# Altium PCB Simulation.PcbDoc (part 1 of 3) (continued)
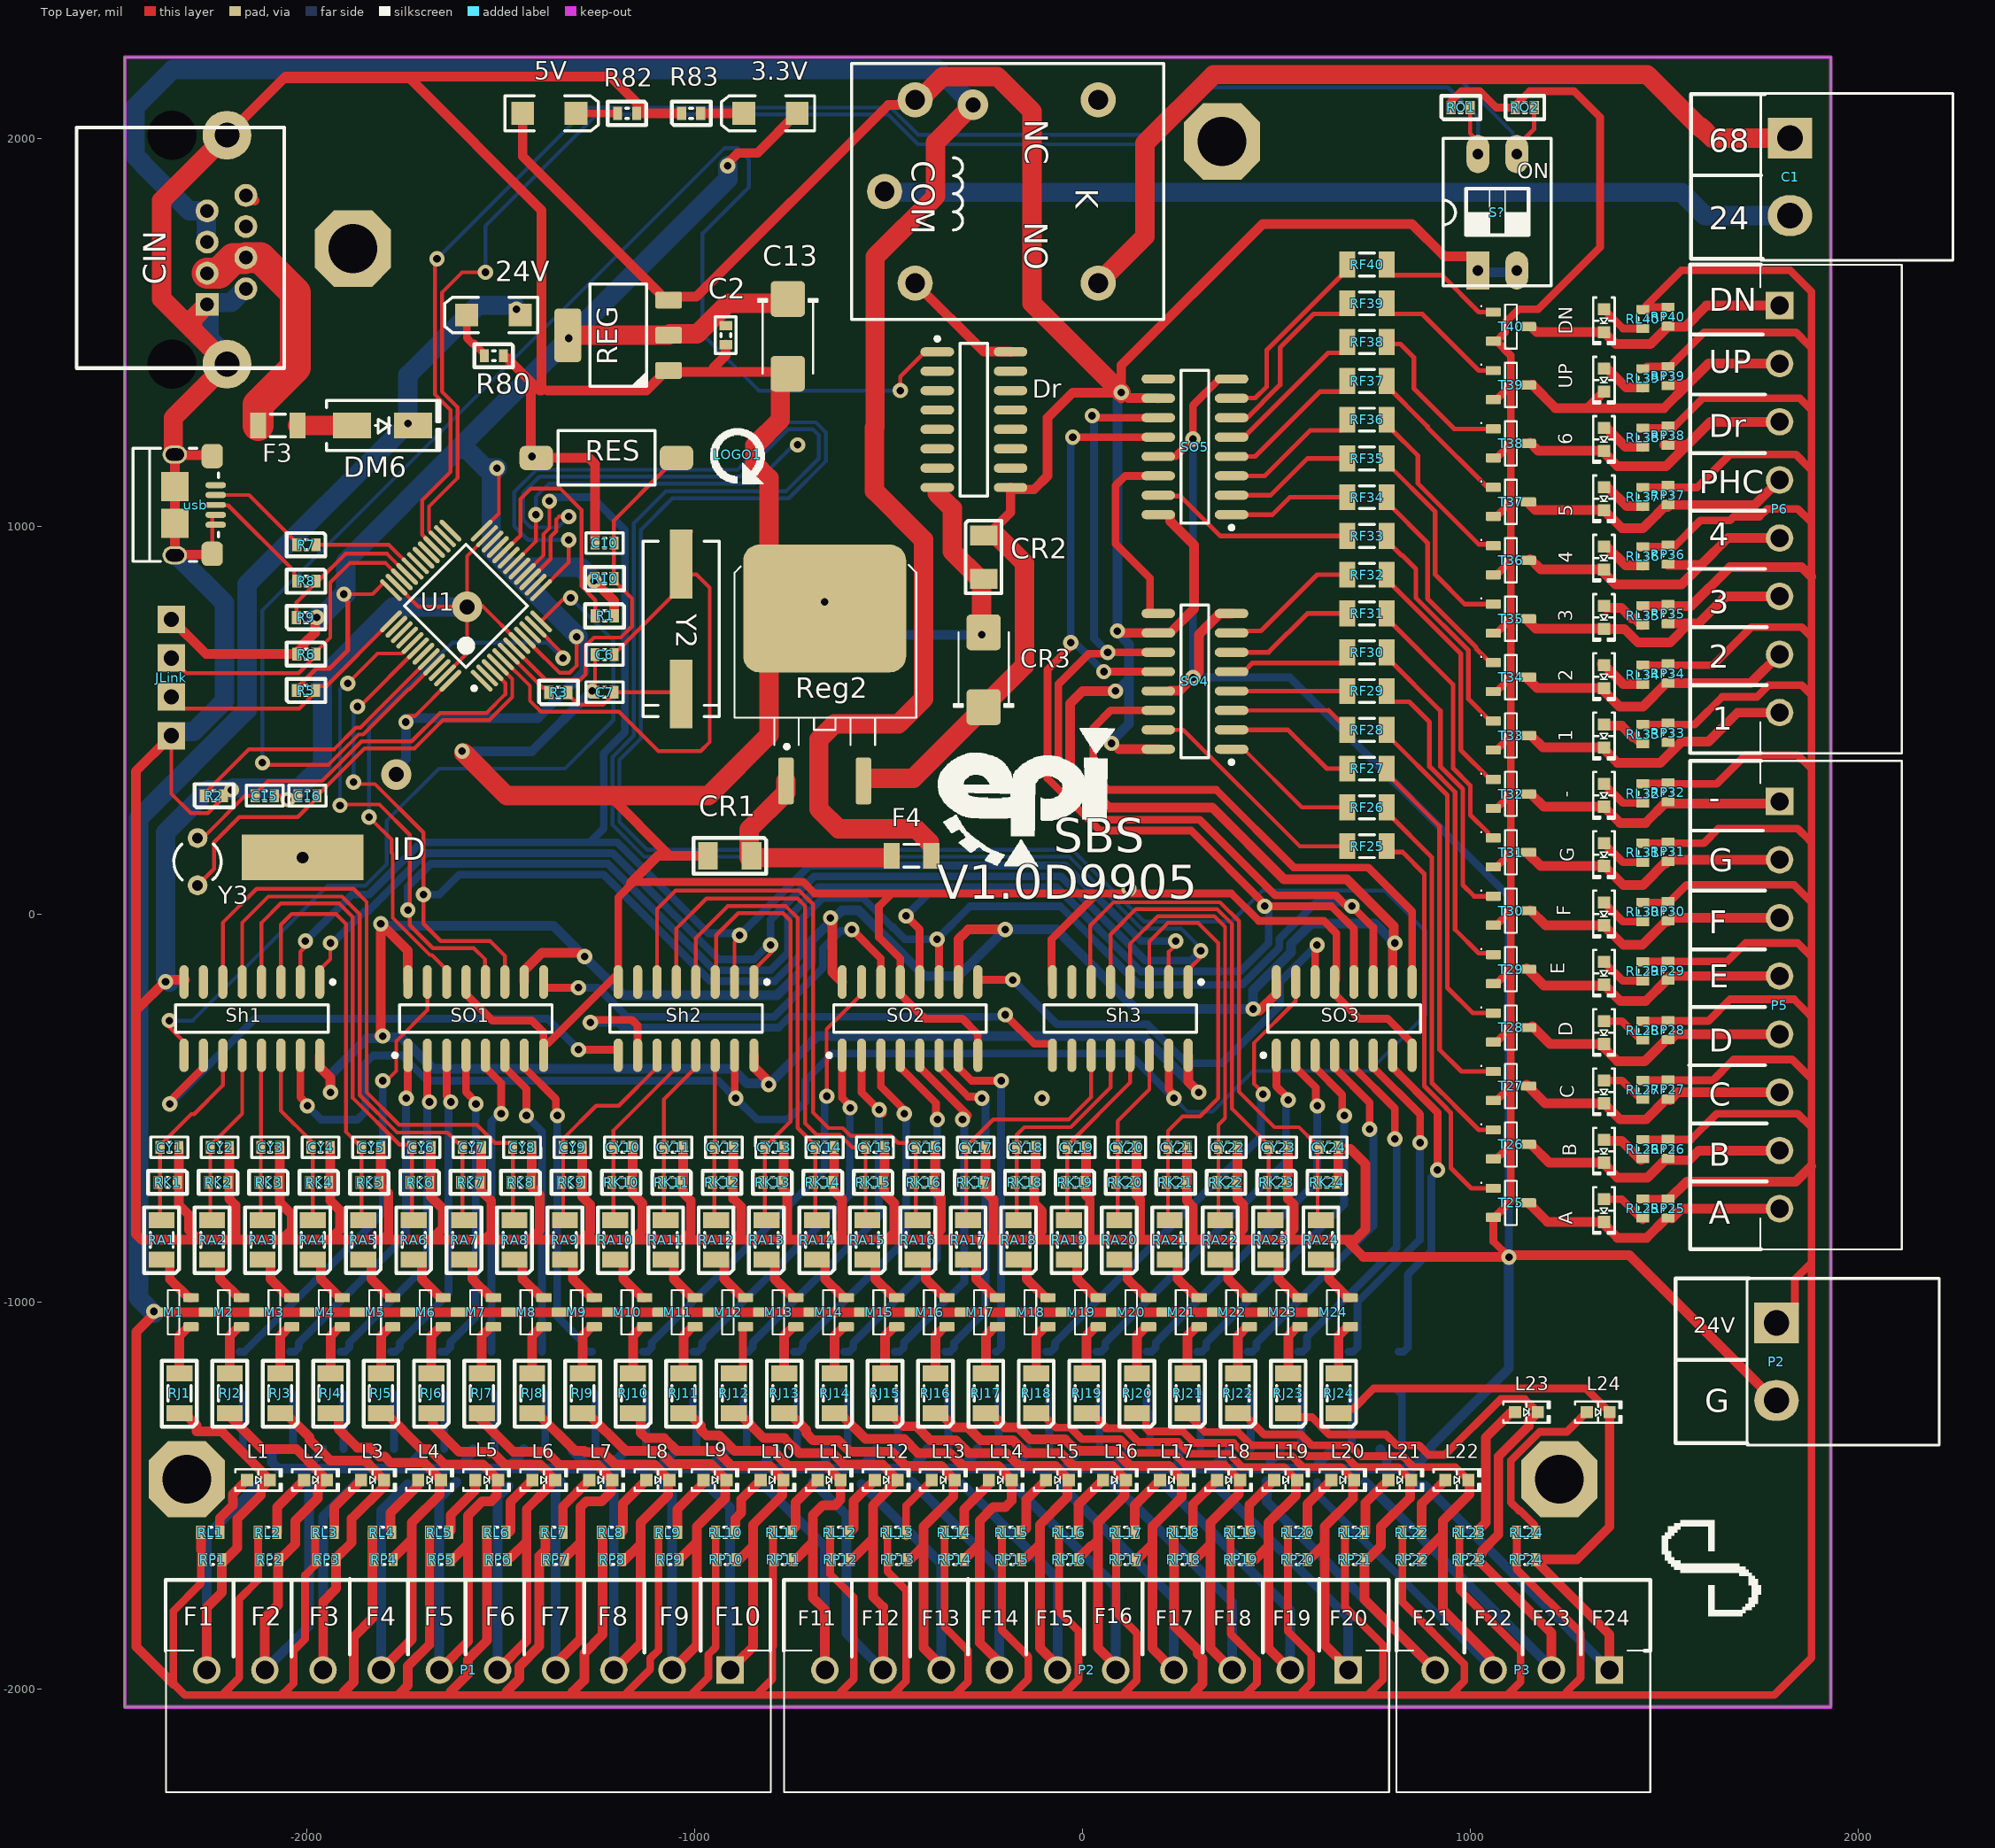
[diagram p0: Top Layer view]
## Components (designator, comment, footprint, x,y, rotation, side; value= is the part's Value field where it differs from the comment) (continued)
RL37 "5K" "RES 0603 (1608X06L)" 1445,1051.2 r90 top
RL38 "5K" "RES 0603 (1608X06L)" 1445,1204.13 r90 top
RL39 "5K" "RES 0603 (1608X06L)" 1445,1357.07 r90 top
RL40 "5K" "RES 0603 (1608X06L)" 1445,1510 r90 top
RO1 "10K" "RES 0603 (1608X06L)" 951.01,2080 r0 top
RO2 "10K" "RES 0603 (1608X06L)" 1116.01,2080 r0 top
RP1 "20K" "RES 0603 (1608X06L)" -2268.99,-1665 r0 top
RP2 "20K" "RES 0603 (1608X06L)" -2121.64,-1665 r0 top
RP3 "20K" "RES 0603 (1608X06L)" -1974.3,-1665 r0 top
RP4 "20K" "RES 0603 (1608X06L)" -1826.95,-1665 r0 top
RP5 "20K" "RES 0603 (1608X06L)" -1679.6,-1665 r0 top
RP6 "20K" "RES 0603 (1608X06L)" -1532.26,-1665 r0 top
RP7 "20K" "RES 0603 (1608X06L)" -1384.91,-1665 r0 top
RP8 "20K" "RES 0603 (1608X06L)" -1237.56,-1665 r0 top
RP9 "20K" "RES 0603 (1608X06L)" -1090.21,-1665 r0 top
RP10 "20K" "RES 0603 (1608X06L)" -942.87,-1665 r0 top
RP11 "20K" "RES 0603 (1608X06L)" -795.52,-1665 r0 top
RP12 "20K" "RES 0603 (1608X06L)" -648.17,-1665 r0 top
RP13 "20K" "RES 0603 (1608X06L)" -500.82,-1665 r0 top
RP14 "20K" "RES 0603 (1608X06L)" -353.48,-1665 r0 top
RP15 "20K" "RES 0603 (1608X06L)" -206.13,-1665 r0 top
RP16 "20K" "RES 0603 (1608X06L)" -58.78,-1665 r0 top
RP17 "20K" "RES 0603 (1608X06L)" 88.57,-1665 r0 top
RP18 "20K" "RES 0603 (1608X06L)" 235.91,-1665 r0 top
RP19 "20K" "RES 0603 (1608X06L)" 383.26,-1665 r0 top
RP20 "20K" "RES 0603 (1608X06L)" 530.61,-1665 r0 top
RP21 "20K" "RES 0603 (1608X06L)" 677.96,-1665 r0 top
RP22 "20K" "RES 0603 (1608X06L)" 825.3,-1665 r0 top
RP23 "20K" "RES 0603 (1608X06L)" 972.65,-1665 r0 top
RP24 "20K" "RES 0603 (1608X06L)" 1120,-1665 r0 top
RP25 "20K" "RES 0603 (1608X06L)" 1510,-735 r270 top
RP26 "20K" "RES 0603 (1608X06L)" 1510,-581.67 r270 top
RP27 "20K" "RES 0603 (1608X06L)" 1510,-428.33 r270 top
RP28 "20K" "RES 0603 (1608X06L)" 1510,-275 r270 top
RP29 "20K" "RES 0603 (1608X06L)" 1510,-121.67 r270 top
RP30 "20K" "RES 0603 (1608X06L)" 1510,31.67 r270 top
RP31 "20K" "RES 0603 (1608X06L)" 1510,185 r270 top
RP32 "20K" "RES 0603 (1608X06L)" 1510,338.33 r270 top
RP33 "20K" "RES 0603 (1608X06L)" 1510,491.67 r270 top
RP34 "20K" "RES 0603 (1608X06L)" 1510,645 r270 top
RP35 "20K" "RES 0603 (1608X06L)" 1510,798.33 r270 top
RP36 "20K" "RES 0603 (1608X06L)" 1510,951.67 r270 top
RP37 "20K" "RES 0603 (1608X06L)" 1510,1105 r270 top
RP38 "20K" "RES 0603 (1608X06L)" 1510,1258.33 r270 top
RP39 "20K" "RES 0603 (1608X06L)" 1510,1411.67 r270 top
RP40 "20K" "RES 0603 (1608X06L)" 1510,1565 r270 top
S? "SW DIP-2" "DIP Switch x2" 1070,1810 r0 top
Sh1 "74HC165" SO-16 -2142.35,-270 r270 top
Sh2 "74HC165" SO-16 -1022.42,-270 r270 top
Sh3 "74HC165" SO-16 97.51,-270 r270 top
SO1 "74HCT595" SO-16 -1564.86,-270 r90 top
SO2 "74HCT595" SO-16 -444.93,-270 r90 top
SO3 "74HCT595" SO-16 675,-270 r90 top
SO4 "74HCT595" SO-16 290,600 r180 top
SO5 "74HCT595" SO-16 290,1205 r180 top
T1 "BC848" SOT23-3 -2128.49,-1425.32 r270 bottom
T2 "BC848" SOT23-3 -1998.49,-1425.32 r270 bottom
T3 "BC848" SOT23-3 -1868.49,-1425.32 r270 bottom
T4 "BC848" SOT23-3 -1738.49,-1425.32 r270 bottom
T5 "BC848" SOT23-3 -1608.49,-1425.32 r270 bottom
T6 "BC848" SOT23-3 -1478.49,-1425.32 r270 bottom
T7 "BC848" SOT23-3 -1348.49,-1425.32 r270 bottom
T8 "BC848" SOT23-3 -1218.49,-1425.32 r270 bottom
T9 "BC848" SOT23-3 -1088.49,-1425.32 r270 bottom
T10 "BC848" SOT23-3 -958.49,-1425.32 r270 bottom
T11 "BC848" SOT23-3 -828.49,-1425.32 r270 bottom
T12 "BC848" SOT23-3 -698.49,-1425.32 r270 bottom
T13 "BC848" SOT23-3 -568.49,-1425.32 r270 bottom
T14 "BC848" SOT23-3 -438.49,-1425.32 r270 bottom
T15 "BC848" SOT23-3 -308.49,-1425.32 r270 bottom
T16 "BC848" SOT23-3 -178.49,-1425.32 r270 bottom
T17 "BC848" SOT23-3 -48.49,-1425.32 r270 bottom
T18 "BC848" SOT23-3 81.51,-1425.32 r270 bottom
T19 "BC848" SOT23-3 211.51,-1425.32 r270 bottom
T20 "BC848" SOT23-3 341.51,-1425.32 r270 bottom
T21 "BC848" SOT23-3 471.51,-1425.32 r270 bottom
T22 "BC848" SOT23-3 601.51,-1425.32 r270 bottom
T23 "BC848" SOT23-3 731.51,-1425.32 r270 bottom
T24 "BC848" SOT23-3 861.51,-1425.32 r270 bottom
T25 "BC848" SOT23-3 1105,-745 r0 top
T26 "BC848" SOT23-3 1105,-594.33 r0 top
T27 "BC848" SOT23-3 1105,-443.67 r0 top
T28 "BC848" SOT23-3 1105,-293 r0 top
T29 "BC848" SOT23-3 1105,-142.33 r0 top
T30 "BC848" SOT23-3 1105,8.33 r0 top
T31 "BC848" SOT23-3 1105,159 r0 top
T32 "BC848" SOT23-3 1105,309.67 r0 top
T33 "BC848" SOT23-3 1105,460.33 r0 top
T34 "BC848" SOT23-3 1105,611 r0 top
T35 "BC848" SOT23-3 1105,761.67 r0 top
T36 "BC848" SOT23-3 1105,912.33 r0 top
T37 "BC848" SOT23-3 1105,1063 r0 top
T38 "BC848" SOT23-3 1105,1213.67 r0 top
T39 "BC848" SOT23-3 1105,1364.33 r0 top
T40 "BC848" SOT23-3 1105,1515 r0 top
U1 "STM32F103CBT6" LQFP-48 -1590,795 r135 top
UP "RED" "LED 0603/1608 RED" 1345,1377 r270 top
usb "USB Micro" "FCI USB 10118193-0001LF" -2339.09,1055.08 r90 top
Y2 "8 MHz" "Crystal SMD" -1035,712.88 r90 top
Y3 "32.768K" "XTAL RTC - Right" -2282.4,135 r0 top

## Footprints (in the part's own frame and the unit in brackets; to place one, negate y for a bottom-side part, rotate by r counter-clockwise, add the part's x,y. Pads: shape width x height; smd on the part's side, far side on the other; paste and mask are expansions set on the pad)
1206 [mm]
  rect 1.3x1.8 smd: 1(-1.425,0) 2(1.425,0)
  silkscreen extent -2.4,-1.18 2.36,1.17, body extent -1.67,-0.87 1.68,0.87, height 0.71
CAP-0603 [mm]
  rect 0.6x0.85 smd: 1(-0.622,0) 2(0.622,0)
  silkscreen extent -1.21,-0.67 1.2,0.68, body extent -0.76,-0.38 0.76,0.38, height 0.6
CAPMP6032X280N [mm] "Capacitor, polarized, Molded Body, EIA 535BAAC size C; 6.00mm L X 3.20mm W X 2.80mm H"
  round 0.508 on Mech15: 0(0,0)
  rrect25% 2.35x2.25 smd: 1(-2.45,0) 2(2.45,0)
  silkscreen extent -2.45,-1.95 2.45,1.95, body extent -3.87,-2.02 3.73,1.93, height 3.1
"CN_RJ45_TYCO_ DY122-8P8C-G" [mm] "DY122-8P8C-G javan"
  rect 1.5x1.5 hole 0.9: 1(11.08,2.3)
  round 1.5 hole 0.9: 2(10.06,4.84) 3(9.04,2.3) 4(8.02,4.84) 5(7,2.3) 6(5.98,4.84) 7(4.96,2.3) 8(3.94,4.84)
  round 3.2 hole 1.63: 9(0,3.6) 9(15,3.6)
  round 0 hole 3.2: " "(0,0) " "(15,0)
  silkscreen extent -0.5,-6.25 15.25,7.35, body extent -1.75,-8.5 16.89,7.25, height 14.6
"Crystal SMD" [mm]
  rect 4.5x1.5 smd: 1(-3.683,0) 2(4.817,0)
  silkscreen extent -5.18,-2.5 6.32,2.5, body extent -5.64,-2.25 6.66,2.25, height 5.18
D2PAK-3 [mil] "D-PAK/TO-263-3; 3 Leads (1 Cropped); Body 14.7 (inc. leads) x 10.2 mm (LxW max)"
  round 20 on Mech15: 0(0,0)
  rrect25% 120x40 smd: 1(222.5,-100) 3(222.5,100)
  rrect25% 330x420 smd: 4(-222.5,0)
  silkscreen extent -335,-232 139,236, body extent -361,-197 256,197, height 189
"DIP Switch x2" [mm]
  rect 1.5x2.5 hole 0.7: 1(-1.27,-3.81)
  oval 1.5x2.5 hole 0.7: 2(1.27,-3.81) 3(1.27,3.81) 4(-1.27,3.81)
  silkscreen extent -3.55,-4.82 3.52,4.83, body extent -3.25,-5.03 3.25,4.97, height 6.91
"DO214AC SMA" [mm] "Molded Diode, 2-Leads, Body 4.30x2.60mm, IPC Medium Density"
  rect 2.5x1.7 smd: 1(-2,0) 2(2,0)
  silkscreen extent -3.68,-1.65 3.75,1.65, body extent -2.6,-1.37 2.6,1.37, height 2.4
"FCI USB 10118193-0001LF" [mm]
  oval 0.4x1.35 smd: 1(1.3,-2.625) 2(0.65,-2.625) 3(0,-2.625) 4(-0.65,-2.625) 5(-1.3,-2.625)
  oval 1.2x1.6 hole 0.8 slot 1.2 at 90 deg: S(-3.3,0.05) S(3.3,0.05)
  rrect50% 1.6x1.4 smd: S(-3.2,-2.4) S(3.2,-2.4)
  rect 1.9x1.8 smd: S(-1.2,0.05) S(1.2,0.05)
  silkscreen extent -3.7,-2.8 3.7,2.8, body extent -3.93,-2.9 3.93,2.76, height 2.78
"Fuse SMD 1206" [mm]
  rect 1.05x1.7 smd: 1(-1.397,0.127) 2(1.199,0.127)
  silkscreen extent -0.6,-0.62 0.4,0.88, body extent -1.14,-0.51 0.89,0.76, height 0.2
"Header 1x4 male rightangle" [mm]
  rect 1.8x1.8 hole 1: 1(-2.54,0) 2(0,0) 3(2.54,0) 4(5.08,0)
  body extent -3.81,-0.38 6.35,9.98, height 3.54
"LED 0603/1608 RED" [mm]
  rect 0.8x0.8 smd: 1(-0.75,0) 2(0.75,0)
  silkscreen extent -1.52,-0.7 1.52,0.7, body extent -0.8,-0.4 0.8,0.4, height 0.53
"LED SMD 1206" [mm]
  rect 1.5x1.5 smd: 1(-1.75,0) 2(1.75,0)
  silkscreen extent -2.9,-1.15 3.2,1.15, body extent -1.65,-0.76 1.65,0.69, height 1.36
"LOGO RESET" [mil]
  silkscreen extent -76,-70 68,70
LQFP-48 [mm] "TSQFP, 48-Leads, Body 9,0x9,0mm (max), Pitch 0,50mm, IPC Medium Density"
  oval 1.9x0.3 smd: 1(-4.2,2.75) 2(-4.2,2.25) 3(-4.2,1.75) 4(-4.2,1.25) 5(-4.2,0.75) 6(-4.2,0.25) 7(-4.2,-0.25) 8(-4.2,-0.75) 9(-4.2,-1.25) 10(-4.2,-1.75) 11(-4.2,-2.25) 12(-4.2,-2.75) 25(4.2,-2.75) 26(4.2,-2.25) 27(4.2,-1.75) 28(4.2,-1.25) 29(4.2,-0.75) 30(4.2,-0.25) 31(4.2,0.25) 32(4.2,0.75) 33(4.2,1.25) 34(4.2,1.75) 35(4.2,2.25) 36(4.2,2.75)
  oval 0.3x1.9 smd: 13(-2.75,-4.2) 14(-2.25,-4.2) 15(-1.75,-4.2) 16(-1.25,-4.2) 17(-0.75,-4.2) 18(-0.25,-4.2) 19(0.25,-4.2) 20(0.75,-4.2) 21(1.25,-4.2) 22(1.75,-4.2) 23(2.25,-4.2) 24(2.75,-4.2) 37(2.75,4.2) 38(2.25,4.2) 39(1.75,4.2) 40(1.25,4.2) 41(0.75,4.2) 42(0.25,4.2) 43(-0.25,4.2) 44(-0.75,4.2) 45(-1.25,4.2) 46(-1.75,4.2) 47(-2.25,4.2) 48(-2.75,4.2)
  silkscreen extent -4.32,-2.85 2.85,3.57, body extent -4.5,-4.5 4.5,4.5, height 1.5
"phonix 2pin right 5.08" [mil]
  rect 115x105 hole 66: 1(0,100)
  oval 115x105 hole 66: 2(0,-100)
  silkscreen extent -76,-215 420,215, body extent -60,-199 410,208, height 310
"phonix 4pin right 3.81" [mm]
  rect 1.8x1.8 hole 1.2: 1(0,0)
  round 1.8 hole 1.2: 2(0,-3.81) 3(0,-7.62) 4(0,-11.43)
  silkscreen extent -1.27,-13.97 8,2.67, body extent -1.2,-14.03 8,2.6, height 7.32
"phonix 8pin right 3.81" [mm]
  rect 1.8x1.8 hole 1.2: 1(0,0)
  round 1.8 hole 1.2: 2(0,-3.81) 3(0,-7.62) 4(0,-11.43) 5(0,-15.24) 6(0,-19.05) 7(0,-22.86) 8(0,-26.67)
  silkscreen extent -1.27,-29.34 8,2.67, body extent -1.2,-29.27 8,2.6, height 7.32
"phonix 10pin right 3.81" [mm]
  rect 1.8x1.8 hole 1.2: 1(0,0)
  round 1.8 hole 1.2: 2(0,-3.81) 3(0,-7.62) 4(0,-11.43) 5(0,-15.24) 6(0,-19.05) 7(0,-22.86) 8(0,-26.67) 9(0,-30.48) 10(0,-34.29)
  silkscreen extent -1.27,-36.96 8,2.67, body extent -1.2,-36.89 8,2.6, height 7.32
"Relay 20x16x20 HJR" [mm]
  round 2.3 hole 1.3: 1(0,0) 2(6,14) 3(-6,14) 4(-6,2) 5(6,2)
  silkscreen extent -8.38,-2.16 8.38,18.29, body extent -8.3,-2.03 8.3,18.27, height 20.2
"RES 0603 (1608X06L)" [mm] "Chip Resistor, 2-Leads, Body 1.6x0.8mm, IPC High Density _ (0.063W)"
  rect 0.6x0.85 smd: 1(0,0) 2(1.244,0)
  silkscreen extent -0.64,-0.76 1.91,0.76, body extent -0.14,-0.38 1.38,0.38, height 0.45
"RES 1206 (3216X08L)" [mm] "Chip Resistor, 2-Leads, Body 3.2x1.6mm, IPC High Density _ (0.125 W)"
  rect 1.05x1.7 smd: 1(0,0) 2(2.596,0)
  silkscreen extent -0.89,-1.14 3.43,1.14, body extent -0.23,-0.76 2.82,0.76, height 0.6
SMD_CAP_0603 [mm]
  rect 0.6x0.85 smd: 1(-0.622,0) 2(0.622,0)
  silkscreen extent -1.21,-0.67 1.2,0.68, body extent -0.76,-0.38 0.76,0.38, height 0.6
SO-16 [mm]
  oval 2.2x0.6 smd: 1(-2.4,4.445) 2(-2.4,3.175) 3(-2.4,1.905) 4(-2.4,0.635) 5(-2.4,-0.635) 6(-2.4,-1.905) 7(-2.4,-3.175) 8(-2.4,-4.445) 9(2.4,-4.445) 10(2.4,-3.175) 11(2.4,-1.905) 12(2.4,-0.635) 13(2.4,0.635) 14(2.4,1.905) 15(2.4,3.175) 16(2.4,4.445)
  silkscreen extent -2.52,-5 0.9,5.42, body extent -3.1,-5.08 3.1,5.08, height 1.73
SOT23-3 [mm] "SOT23, 3 pin"
  round 0.5 on Mech15: 0(0,0)
  rrect25% 1x0.6 smd: 1(-1.15,0.95) 2(-1.15,-0.95) 3(1.15,0)
  silkscreen extent -0.38,-1.45 0.38,1.45, body extent -1.4,-1.45 1.4,1.45, height 1.29
SOT223 [mm] "SOT223 /SC-73"
  round 1 on Mech15: 0(0,0)
  rrect25% 1.75x1.1 smd: 1(-3.3,2.3) 2(-3.3,0) 3(-3.3,-2.3)
  rrect25% 1.75x3.5 smd: 4(3.3,0)
  silkscreen extent -1.85,-3.35 1.85,3.35, body extent -3.65,-3.35 3.65,3.35, height 1.8
"TE FSMSMTR" [mm]
  rrect50% 1.6x2.19 smd: 1(0,4.595) 2(0,-4.595)
  silkscreen extent -1.78,-3.17 1.78,3.17, body extent -1.75,-4.98 1.75,4.98, height 4.42
"XTAL RTC - Right" [mm]
  round 1.3 hole 0.7: 1(0,1.55) 2(0,-1.55)
  rect 8x3 hole 0.762: 3(6.878,0.276)
  silkscreen extent -1.55,-1.19 1.55,1.17, body extent -0.54,-1.44 10.23,2.01, height 3.1

## Part data
1 2 3 3.3V 4 5 5V 6 24V - A B C D DN E F G L1 L2 L3 L4 L5 L6 L7 L8 L9 L10 L11 L12 L13 L14 L15 L16 L17 L18 L19 L20 L21 L22 L23 L24 UP: library part LED, "Chip LED"
C1 P2: "Header, 2-Pin", LatestRevisionDate=17-Jul-2002, LatestRevisionNote="Re-released for DXP Platform.", Publisher="Altium Limited", system=connector
C2 CY1 CY2 CY3 CY4 CY5 CY6 CY7 CY8 CY9 CY10 CY11 CY12 CY13 CY14 CY15 CY16 CY17 CY18 CY19 CY20 CY21 CY22 CY23 CY24: library part Cap-Bipolar, "Bipolar Capacitor", Voltage=35V, Price=2800
C6 C7 C10 C15 C16: library part Cap-Bipolar, "Bipolar Capacitor", Voltage=100V, ComponentLink1Description="Buy Link"
  C6 C7: ComponentLink1URL=http://nikushop.com/index.php?id_product=9033&controller=product, Price=902
  C10 C15: ComponentLink1URL=http://nikushop.com/index.php?id_product=13570&controller=product&search_query=1uF-0603&results=1, Price=2346
  C16: ComponentLink1URL=http://nikushop.com/index.php?id_product=9021&controller=product&search_query=10PF-0603&results=1, Price=1173
C13: library part Cap-Polar, "Polar Capacitor", Voltage=6V, Price=0
CR1 CR2: library part Cap-Bipolar, "Bipolar Capacitor", Voltage=50V, Price=753
CR3: library part Cap-Polar, "Polar Capacitor", Voltage=16V, Adding Date=1387/12/20, Designer="Saeid Jorablo", Organazation=ControTec
DM6: library part "Diode 1N4148", "High Conductance Fast Diode", Code_JEDEC=DO-204-AH, ComponentLink1Description="Manufacturer Link", ComponentLink1URL=http://www.fairchildsemi.com/, ComponentLink2Description=Datasheet, ComponentLink2URL=http://www.fairchildsemi.com/ds/1N%2F1N4148.pdf, DatasheetVersion=1997, LatestRevisionDate=17-Jul-2002, LatestRevisionNote="Re-released for DXP Platform.", PackageDescription="Diode, Axial; Body 3.8 x 1.9 mm (LxDia. max), Lead Dia. 0.53 mm (max)", PackageReference=DO-35, Published=8-Jun-2000, Publisher="Altium Limited"
F3 F4: library part "Fuse 2", "Fuse", Current=0.5A, LatestRevisionDate=17-Jul-2002, LatestRevisionNote="Re-released for DXP Platform.", PackageDescription="Thru-Hole; 2 Leads", PackageReference=PIN-W2/E2.8, Published=8-Jun-2000, Publisher="Altium Limited"
JLink: library part "Header 1*4"
K: "RELAY 5V 7A 1C 5PIN", Company=E.P.I.L, Design_Date=2011/10/31, Designer="Eng. Saeid Jorablo"
LOGO1: library part WARNING, "WARNING & LOGO", Company=E.P.I.L, Design Date=11/6/2011
M1 M2 M3 M4 M5 M6 M7 M8 M9 M10 M11 M12 M13 M14 M15 M16 M17 M18 M19 M20 M21 M22 M23 M24: library part 2N7002ET1G, Manufacturer="On Semiconductor", Package Type=SOT-23-3, Supplier Part Number 1=2N7002ET1GOSTR-ND, Channel Polarity="N Channel", Ciss Typ (pF)=26.7, ComponentLink1Description="Manufacturer URL", ComponentLink1URL=http://www.onsemi.com/, ComponentLink2Description=Datasheet, ComponentLink2URL=http://www.onsemi.com/pub_link/Collateral/2N7002E-D.PDF, ComponentLink3Description="Package Specification", ComponentLink3URL=http://www.onsemi.cn/pub_link/Collateral/318-08.PDF, Configuration=Single, Coss Typ (pF)=4.6, Crss Typ (pF)=2.9, DatasheetVersion="Rev. 3", ID Max (A)=0.31, Mounting Technology="Surface Mount", PackageDescription="3-Pin Small Outline Transistor, Body 2.92 x 1.3 mm, Pitch 0.95 mm", PackageReference=SOT-23-3-318-08, PackageVersion="Rev. AP, 11/2009", Packing="Tape and Reel", PartNumber=2N7002ET1G, RoHS=Pb-Free, Supplier 1=Digi-Key, Supplier 2=Digi-Key, Supplier 3=Digi-Key, Supplier 4=Farnell, Supplier 5=Farnell, Supplier 6=Newark, Supplier 7=Newark, Supplier 8=Mouser, Supplier Part Number 2=2N7002ET1GOSCT-ND, Supplier Part Number 3=2N7002ET1GOSDKR-ND, Supplier Part Number 4=2317895, Supplier Part Number 5=2317616, Supplier Part Number 6=09R9861, Supplier Part Number 7=50M2216, Supplier Part Number 8=863-2N7002ET1G, V(BR)DSS Min (V)=60, VGS(th) Max (V)=2.5, VGS Max (V)=20
P1 P2: library part "Header 1x10"
P3: library part "Header 1x4"
P5 P6: library part "Header 1x8"
R1 R2 R5 R6 R7 R8 R9 R10 RA1 RA2 RA3 RA4 RA5 RA6 RA7 RA8 RA9 RA10 RA11 RA12 RA13 RA14 RA15 RA16 RA17 RA18 RA19 RA20 RA21 RA22 RA23 RA24 RJ1 RJ2 RJ3 RJ4 RJ5 RJ6 RJ7 RJ8 RJ9 RJ10 RJ11 RJ12 RJ13 RJ14 RJ15 RJ16 RJ17 RJ18 RJ19 RJ20 RJ21 RJ22 RJ23 RJ24 RK1 RK2 RK3 RK4 RK5 RK6 RK7 RK8 RK9 RK10 RK11 RK12 RK13 RK14 RK15 RK16 RK17 RK18 RK19 RK20 RK21 RK22 RK23 RK24 RL1 RL2 RL3 RL4 RL5 RL6 RL7 RL8 RL9 RL10 RL11 RL12 RL13 RL14 RL15 RL16 RL17 RL18 RL19 RL20 RL21 RL22 RL23 RL24 RL25 RL26 RL27 RL28 RL29 RL30 RL31 RL32 RL33 RL34 RL35 RL36 RL37 RL38 RL39 RL40 RO1 RO2: library part Resistor, "Resistor"
  R1 R2 R5 R6 R10 RO1 RO2: ComponentLink1Description="Buy Link", ComponentLink1URL=http://www.roboeq.ir/products/detail/%D9%85%D9%82%D8%A7%D9%88%D9%85%D8%AA%2010%20%DA%A9%DB%8C%D9%84%D9%88%20%D8%A7%D9%87%D9%85%20SMD%200603/, Price=394
  R7 R8: ComponentLink1Description="Buy Link", ComponentLink1URL="20R Resistor R5, R6 RES 0603 (1608X06L) Resistor 2 276 552 http://nikushop.com/index.php?id_product=13587&controller=product", Price=276
  R9: ComponentLink1Description="Buy Link", ComponentLink1URL=http://kaelectronic.ir/index.php?route=product/product&product_id=6863&search=15kohm+0603, Price=597
  RA1 RA2 RA3 RA4 RA5 RA6 RA7 RA8 RA9 RA10 RA11 RA12 RA13 RA14 RA15 RA16 RA17 RA18 RA19 RA20 RA21 RA22 RA23 RA24 RJ1 RJ2 RJ3 RJ4 RJ5 RJ6 RJ7 RJ8 RJ9 RJ10 RJ11 RJ12 RJ13 RJ14 RJ15 RJ16 RJ17 RJ18 RJ19 RJ20 RJ21 RJ22 RJ23 RJ24 RK1 RK2 RK3 RK4 RK5 RK6 RK7 RK8 RK9 RK10 RK11 RK12 RK13 RK14 RK15 RK16 RK17 RK18 RK19 RK20 RK21 RK22 RK23 RK24 RL1 RL2 RL3 RL4 RL5 RL6 RL7 RL8 RL9 RL10 RL11 RL12 RL13 RL14 RL15 RL16 RL17 RL18 RL19 RL20 RL21 RL22 RL23 RL24 RL25 RL26 RL27 RL28 RL29 RL30 RL31 RL32 RL33 RL34 RL35 RL36 RL37 RL38 RL39 RL40: Price=617
R3 R80 R82 R83 RF1 RF2 RF3 RF4 RF5 RF6 RF7 RF8 RF9 RF10 RF11 RF12 RF13 RF14 RF15 RF16 RF17 RF18 RF19 RF20 RF21 RF22 RF23 RF24 RF25 RF26 RF27 RF28 RF29 RF30 RF31 RF32 RF33 RF34 RF35 RF36 RF37 RF38 RF39 RF40 RP1 RP2 RP3 RP4 RP5 RP6 RP7 RP8 RP9 RP10 RP11 RP12 RP13 RP14 RP15 RP16 RP17 RP18 RP19 RP20 RP21 RP22 RP23 RP24 RP25 RP26 RP27 RP28 RP29 RP30 RP31 RP32 RP33 RP34 RP35 RP36 RP37 RP38 RP39 RP40: library part Resistor, "Resistor", Power=1/4W
REG: library part REG1117A-2.5/2K5, ")", ComponentLink1Description="Manufacturer URL", ComponentLink1URL=http://www.ti.com/, ComponentLink2Description=Datasheet, ComponentLink2URL=http://www.ti.com/general/docs/lit/getliterature.tsp?genericPartNumber=REG1117A-25&fileType=pdf, ComponentLink3Description="Package Specification", ComponentLink3URL=http://www.ti.com/litv/pdf/mpds094a, Price=4200
Reg2: "Voltage Regulator IC, D2PAK SMD, L7805", Manufacturer 1="ON Semiconductor", Package / Case=D2PAK, Ratings="40V; 1.5A", Supplier Part Number 1=LM317D2TGOS-ND, Tolerance=0.04%, Voltage Regulator Type="Adjustable Positive Linear", Manufacturer Part Number 1=L7805, SCDType=spec*, Supplier 1=Digi-Key
RES: library part "SPST-NO 2 PIN", ComponentLink1Description="Buy Link", ComponentLink1URL=https://eshop.eca.ir/%D8%AA%DA%A9-%D8%B3%D9%88%D8%A6%DB%8C%DA%86/6472-%D8%AA%DA%A9-%D8%B3%D9%88%D8%A6%DB%8C%DA%86-smd-%D8%B3%D8%A7%DB%8C%D8%B2-3x6x25-%D8%B2%D8%B1%D8%AF-%D8%A8%D8%B3%D8%AA%D9%87-10-%D8%AA%D8%A7%DB%8C%DB%8C.html, Price=1900
S?: "DIP Switch, 2 Position, SPST", LatestRevisionDate=17-Jul-2002, LatestRevisionNote="Re-released for DXP Platform.", PackageReference=DIP-4, Published=24-Mar-1999, Publisher="Altium Limited"
T1 T2 T3 T4 T5 T6 T7 T8 T9 T10 T11 T12 T13 T14 T15 T16 T17 T18 T19 T20 T21 T22 T23 T24 T25 T26 T27 T28 T29 T30 T31 T32 T33 T34 T35 T36 T37 T38 T39 T40: library part NPN_MMBT3904, "Transistor SMD NPN 40V 0.2A 250mW SOT-23", Manufacturer 1="Fairchild Semiconductor", Manufacturer 2="NXP Semiconductors", Manufacturer Part Number 2=PMBT3904,215, Package / Case=SOT-23, Ratings="40V; 200mA; 250mW", Supplier Part Number 1=MMBT3904FSCT-ND, ComponentLink1Description=http://www.fairchildsemi.com/ds/MM/MMBT3904.pdf, ComponentLink1URL=http://www.fairchildsemi.com/ds/MM/MMBT3904.pdf, ComponentLink2Description=http://www.nxp.com/documents/data_sheet/PMBT3904.pdf, ComponentLink2URL=http://www.nxp.com/documents/data_sheet/PMBT3904.pdf, Manufacturer Part Number 1=BC848, Material=Si, Mounting Type="Surface Mount", SCDType=source, Supplier 1=Digi-Key, Supplier 2=Digi-Key, Supplier Part Number 2=568-1741-1-ND, Transistor Type=NPN
U1: "STM32 ARM-based 32-bit MCU with 128 Kbytes Flash, 48-pin LQFP, Industrial Temperature", ComponentLink1Description="Manufacturer Link", ComponentLink1URL=www.st.com/stm32, ComponentLink2Description=Datasheet, ComponentLink2URL=http://www.st.com/stonline/products/literature/ds/13587.pdf, DatasheetVersion="rev6, Mar-2008", PackageDescription="48-Pin Low-Profile Quad Flat Pack, 7 x 7 mm Body, 0.5 mm Pitch (LQFP48)", PackageReference=LQFP48, PackageVersion=Mar-2008, Published=30-May-2008, Publisher="Altium Limited"
usb: library part "USB 2.0 Type B Micro", ComponentLink1Description="Buy Link", ComponentLink1URL=http://nikushop.com/index.php?id_product=11066&controller=product, Price=14934
Y2 Y3: library part XTAL, "XTAL Crystal"
  Y2: Price=20000
  Y3: ComponentLink1Description="Buy Link", ComponentLink1URL=http://www.roboeq.ir/products/detail/%DA%A9%D8%B1%DB%8C%D8%B3%D8%AA%D8%A7%D9%84%2032.768%20%DA%A9%DB%8C%D9%84%D9%88%D9%87%D8%B1%D8%AA%D8%B2/, Price=5900
Sh1 Sh2 Sh3: Price=16000

## Free pads (board coordinates)
  oct 196.85x196.85 hole 125.98: 0(-2310,-1457.8) 0(-1881.69,1716.26) 0(360,1992.55) 0(1230,-1457.8)

## Via types
v1: diameter 39.37, hole 19.68, Top Layer to Bottom Layer, 107 vias
v2: diameter 78.74, hole 39.37, Top Layer to Bottom Layer, 3 vias

## Nets (pads, with @x,y where several pads share a name; then routed paths per layer and width w, separated by ;. In a path a pad name is that pad's centre, name@x,y a point inside that pad or via, vN(x,y) a via of type N, cw(c..) or ccw(c..) an arc to the next point about the centre after c; other vN are vias at no path point)
3.3v: 3.3V.1 C2.2 C13.1 JLink.4 R1.1 R5.1 R6.2 R9.2 R10.1 REG.2 REG.4 U1.9 U1.24 U1.36 U1.48 | length 5715.5
  Top Layer w10: v1@-1900,825 -1831.32,825 -1802.81,853.51 -1801.62,853.51 U1.36@-1783.48,835.37 ; v1@-1740,510 -1721.89,510 U1.48@-1630.37,601.52 ; U1.24@-1549.63,988.48 -1505,1033.11 v1@-1505,1155 ; U1.9@-1423.34,696.66 -1348.7,622.02 -1322.98,622.02 -1305,640 v1(-1305,715)
  Top Layer w12: R5.1@-2027.61,576.4 -2027.61,581.32 -1975.36,633.56 -1941.44,633.56 -1895,680 -1895,805 -1899.76,809.76 -1899.76,812.36 -1907.41,820 v1@-1910,820
  Top Layer w25: JLink.4@-2350,760 -2260.41,670.41 R6.2@-2026.6,670.41 -2026.6,673.95 -2009.79,690.76 -2009.79,695.58 -1979.3,726.07 -1979.3,763.73 R9.2@-1978.61,764.42 ; v1(-1260,860) -1240.8,840.8 -1240.8,839.87 -1208.3,807.37 -1208.3,769.68 R1.1@-1207.61,768.99 ; v1@-920,1931.1 -888.21,1962.89 -838.21,1962.89 3.3V.1@-736.1,2065
  Top Layer w50: REG.4@-1327.45,1492.62 REG.2@-1067.61,1492.62 -1064.26,1495.97 -994.03,1495.97 -915,1575 -765,1575 C13.1@-755,1585
  Bottom Layer w25: v2@-1775,360 -1775,369.54 -1745,399.54 v1(-1745,495) ; v1@-1745,505 -1405,505 -1285,625 -1285,695 v1(-1305,715)
  Bottom Layer w50: v1@-1980,765 -1965,765 v1(-1905,825) ; v1@-1900,825 -1900,910 -1600,1210 ; v1@-1300,715 -1480,895 ; v1(-1260,860) -1295,895 -1480,895 ; v1(-915,1930) -915,1895 v1(-1325,1485) -1600,1210 ; -1600,1210 -1540,1150 v1(-1510,1150) -1525,1135 -1525,940 -1480,895
  other v1: -1975,765
  other v2: -1770,360
8V: CR1.1 F4.2 Reg2.1 | length 602.4
  Top Layer w50: Reg2.1@-765,343.04 -765,313.04 -860,218.04 -860,145 F4.2@-495,145
8V_IN: CIN.5 CIN.7 F4.1 | length 5190.2
  Top Layer w50: -395,185 -430,220 -629.18,220 -680,270.82 -680,450 -640,490 -475,490 -410,555 -410,965 -536.25,1091.25 -536.25,1254.63 -535,1255.88 -535,1695 -378.87,1851.13 -378.87,1990.34 v2(-282.24,2086.97)
  Bottom Layer w50: -2425,1935 -2303.43,1813.43 CIN.7@-2259.48,1813.43 ; -2423.94,1936.06 -2444.17,1956.29 -2444.17,2080.83 -2347.15,2177.85 -373.12,2177.85 -285.27,2090 v2@-285,2090 ; CIN.5@-2257.75,1733.11 -2259.48,1734.84 CIN.7@-2259.48,1813.43 ; CIN.7@-2257.75,1813.43 CIN.7@-2259.48,1813.43